# KiCad board V1.1_XT30_version.kicad_pcb (continued)
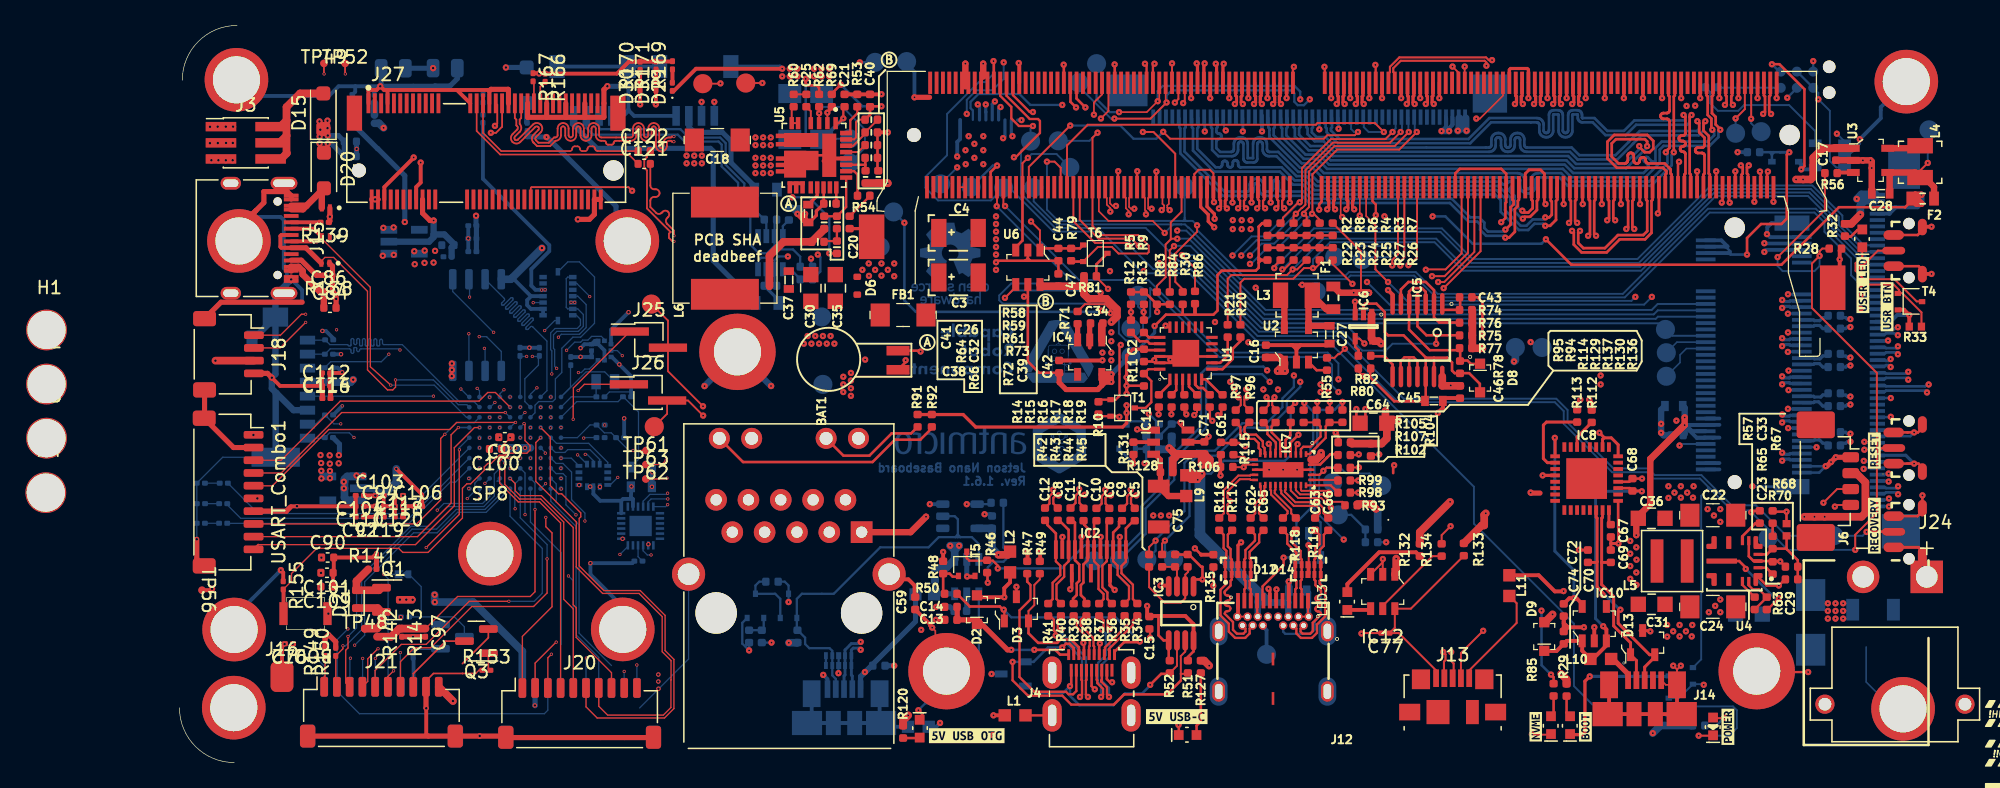
[diagram p0: board, top side]
## Routing (per net, layer and track width the routed paths; a pad name or vN(x,y) marks a point on that pad's centre or on a via; arc(x,y) is an arc through that point) (continued)
TMDS_HPD: length 66.3
  Top w0.15: M1.96 101.73,40.12 99.37,37.75 v1(98.88,37.75)
  Top w0.18: v1(64.29,15.25) 64.29,15.47 63.9,15.86 62.05,15.86 61.85,16.06 T5.3
  In3_SIGNAL.Cu w0.15: v1(85.45,30.81) 86,30.26 86.8,30.26 87.75,29.31 88.25,29.31 88.55,29.61 88.55,32.31 90.58,34.34 96.15,34.34 98.85,37.04 98.85,37.72 v1(98.88,37.75)
  Bottom w0.18: 71.85,16.71 71.85,17.01 71.9,17.06 ; 71.85,16.71 71.85,16.81 ; 71.85,16.71 TP24.1 ; v1(85.45,30.81) 85.15,31.11 80.8,31.11 80.25,30.56 80.25,26.41 77.75,23.91 77.75,22.31 75.55,20.11 75.55,18.11 74.5,17.06 72.1,17.06 ; 72.1,17.06 71.9,17.06 ; 72.1,17.06 71.85,16.81 ; 71.85,16.81 71.6,17.06 ; v1(64.29,15.25) 69.29,15.25 71.1,17.06 71.6,17.06 ; 71.9,17.06 71.6,17.06
UART0_RX: length 58.2
  Top w0.138: v1(41.13,27.99) 38.38,30.74 J25.2 38.38,34.72 TP18.1 ; v1(71.84,50.9) 71.84,51.85 72.48,52.49 M1.205
  In3_SIGNAL.Cu w0.138: v1(71.84,50.9) 71.84,50.71 70.73,49.6 69.91,49.6 67.46,47.15 67.46,41.26 64.09,37.89 64.09,34.52 57.56,27.99 v1(41.13,27.99)
UART0_TX: length 54.8
  Top w0.138: M1.203 72.98,51.19 v1(72.39,50.6) ; TP16.1 38.31,27.4 J26.2 39.95,28.45 v1(41.14,27.26)
  In3_SIGNAL.Cu w0.138: v1(41.14,27.26) 57.38,27.26 64.41,34.29 64.41,36.69 67.72,40.01 67.72,46.16 72.16,50.59 72.35,50.59 v1(72.39,50.6) 72.37,50.59 72.36,50.59
UART1_RX: length 74.9
  Top w0.15: M1.238 64.23,43.74 v1(64.2,43.71)
  Top w0.25: R112.2 110.95,28.31 v1(110.75,28.51)
  In5_3V3_SYS_SIGNAL.Cu w0.15: v1(91.05,29.11) 92.05,29.11 92.75,28.41 94.95,28.41 95.35,28.01 110.25,28.01 v1(110.75,28.51)
  Bottom w0.15: v1(91.05,29.11) 90.55,29.61 90.55,31.26 89.96,31.85 81.69,31.85 76.26,37.29 76.26,35.07 75.7,34.5 75.7,33.72 75.14,33.16 74.36,33.16 73.8,33.72 73.8,35.62 73.36,36.06 64.66,36.06 64.4,36.32 64.4,36.7 65.34,37.64 70.27,37.64 v1(64.2,43.71)
UART1_TX: length 54.8
  Top w0.15: v1(64.86,43.72) 64.73,43.85 M1.236
  Top w0.23: v1(110.05,28.51) 109.8,28.26 R113.2
  In5_3V3_SYS_SIGNAL.Cu w0.15: v1(110.05,28.51) 109.85,28.31 95.55,28.31 95.05,28.81 92.85,28.81 92.05,29.61 91.55,29.61 v1(91.05,30.11)
  Bottom w0.15: v1(91.05,30.11) 91.05,31.36 90.2,32.21 81.82,32.21 76.12,37.91 70.67,37.91 v1(64.86,43.72)
USB1_D_N: length 67.7
  Top w0.25: v1(97.04,51.74) 96.91,51.87 96.91,52.33 96.98,52.39 96.98,53.4 ; J12.A7 86.16,13.58 v1(86.18,13.6)
  In2.Cu w0.16: J12.B7 85.77,11.72 85.77,12.09 82.54,15.32 82.54,27.11 79.2,30.44 79.2,50.97 80.01,51.77 80.01,52.57 80.7,53.26 96.27,53.26 96.87,52.66 96.87,51.91 v1(97.04,51.74)
  In3_SIGNAL.Cu w0.2: J12.B7 85.51,12.18 86.17,12.84 86.17,13.59
USB1_D_P: length 66.9
  Top w0.25: v1(96.41,51.74) 96.54,51.87 96.54,52.33 96.48,52.39 96.48,53.4 ; v1(85.56,13.65) 85.66,13.54 J12.A6
  In2.Cu w0.16: v1(96.41,51.74) 96.58,51.91 96.58,52.54 96.15,52.98 80.82,52.98 80.29,52.45 80.29,51.65 79.49,50.85 79.49,30.56 82.82,27.23 82.82,15.44 86.05,12.21 86.05,11.72 J12.B6
  In5_3V3_SYS_SIGNAL.Cu w0.175: v1(85.56,13.65) 85.56,13.03 86.31,12.28 J12.B6
USB2_D_N: length 59.9
  Top w0.16: J13.2 99.34,6.66 99.34,7.93 99.46,8.05 99.46,8.5 v1(99.28,8.68) ; M1.121 95.48,54.13 95.36,54.25 95.36,54.55 95.94,55.14 102.54,55.14 102.68,55 v1(102.68,54.75)
  In2.Cu w0.16: v1(102.68,54.75) 102.85,54.57 102.85,23.92 arc(102.77,23.71) 102.55,23.62 102.41,23.62 arc(102.19,23.53) 102.11,23.32 arc(102.19,23.11) 102.41,23.02 102.55,23.02 arc(102.77,22.93) 102.85,22.72 102.85,20.94 99.46,17.54 99.46,8.86 v1(99.28,8.68)
USB2_D_P: length 59.9
  Top w0.16: M1.123 94.98,54.13 95.1,54.25 95.1,54.66 95.83,55.4 102.65,55.4 102.86,55.19 v1(103.12,55.19) ; J13.3 100.1,6.7 100.1,7.78 99.91,7.98 v1(99.91,8.68)
  In2.Cu w0.16: v1(99.91,8.68) 99.73,8.86 99.73,17.44 103.12,20.83 103.12,54.56 103.12,54.56 103.12,54.93 103.12,54.93 v1(103.12,55.19)
USBSS_RX6_N: length 31.3
  Top w0.16: R97.1 83.38,28.08 83.38,28.52 v1(83.2,28.69)
  Top w0.23: 83.48,53.4 83.48,52.39 83.4,52.32 83.4,51.88 v1(83.54,51.74) ; 83.48,51.78 83.54,51.71
  In2.Cu w0.16: v1(83.54,51.74) 83.37,51.57 83.37,51.13 83.04,50.8 81.94,50.8 81.49,50.35 81.49,45.05 80.74,44.3 80.74,30.29 81.21,29.82 arc(81.35,29.76) 81.49,29.82 81.5,29.83 arc(81.64,29.89) 81.78,29.83 arc(81.84,29.69) 81.78,29.54 81.78,29.54 arc(81.72,29.4) 81.78,29.26 arc(81.92,29.2) 82.06,29.26 82.07,29.26 arc(82.21,29.32) 82.35,29.26 arc(82.41,29.12) 82.35,28.98 82.34,28.97 arc(82.28,28.83) 82.34,28.69 82.91,28.13 83.19,28.13 83.37,28.31 83.37,28.52 v1(83.2,28.69)
USBSS_RX6_P: length 31.3
  Top w0.16: v1(83.83,28.69) 83.66,28.53 83.66,28.08 R96.1
  Top w0.23: v1(82.91,51.74) 83.05,51.88 83.05,52.32 82.98,52.39 82.98,53.4 ; 82.91,51.71 82.98,51.78
  In2.Cu w0.16: v1(83.83,28.69) 83.66,28.52 83.66,28.19 83.31,27.84 82.79,27.84 80.46,30.17 80.46,44.42 81.21,45.17 81.21,50.47 81.83,51.09 82.93,51.09 83.08,51.25 83.08,51.57 v1(82.91,51.74)
USBSS_TX6_N: length 22.2
  Top w0.16: v1(85.4,28.69) 85.56,28.53 85.56,28.07 R95.1
  Top w0.23: 82.23,45.2 82.23,44.21 82.15,44.14 82.15,43.67 v1(82.29,43.54)
  In2.Cu w0.16: v1(82.29,43.54) 82.12,43.37 82.12,32.46 83.03,31.55 arc(83.18,31.49) 83.33,31.55 arc(83.48,31.62) 83.63,31.55 83.65,31.54 arc(83.71,31.39) 83.65,31.23 arc(83.59,31.08) 83.65,30.93 83.66,30.92 arc(83.81,30.85) 83.97,30.92 arc(84.12,30.98) 84.27,30.92 84.28,30.9 arc(84.35,30.75) 84.28,30.6 arc(84.22,30.45) 84.28,30.29 84.68,29.89 84.68,28.11 84.85,27.95 85.35,27.95 85.57,28.18 85.57,28.52 v1(85.4,28.69)
USBSS_TX6_P: length 22.1
  Top w0.16: 86.23,27.68 85.85,28.07 85.85,28.51 v1(86.03,28.69)
  Top w0.23: v1(81.66,43.54) 81.8,43.67 81.8,44.14 81.73,44.21 81.73,45.2
  In2.Cu w0.16: v1(81.66,43.54) 81.83,43.37 81.83,32.34 84.4,29.78 84.4,28 84.73,27.67 85.46,27.67 85.86,28.06 85.86,28.52 v1(86.03,28.69)
USR_BUTTON: length 91.3
  Top w0.15: v1(132.13,38.92) 133.43,40.22 USR1.2 ; M1.218 69.23,46.73 68.75,47.21 v1(68.15,47.21) ; 78.82,37.18 78.23,37.77 78.23,39.99 79.94,41.7 v1(79.94,42.2)
  Bottom w0.15: 78.97,42.67 78.97,42.79 ; 78.97,42.67 78.85,42.55 78.81,42.55 ; 78.97,42.67 79.08,42.55 79.21,42.55 ; 78.97,42.79 78.97,42.59 79.01,42.55 ; 78.97,42.79 78.97,45.2 ; 79.21,42.55 79.59,42.55 v1(79.94,42.2) 79.94,41.85 83.54,38.26 91.61,38.26 91.88,38.53 97.13,38.53 98.84,36.82 99.44,36.82 113.39,36.82 120.08,43.51 128.55,43.51 129.54,42.52 129.54,41.87 132.13,39.28 v1(132.13,38.92) ; 79.21,42.55 79.01,42.55 ; 79.01,42.55 78.81,42.55 ; 78.81,42.55 69.03,42.55 68.15,43.43 v1(68.15,47.21)
USR_LED: length 92
  Top w0.125: v1(77.4,41.61) 76.45,42.56 72.98,42.56 72.23,43.31 M1.206
  Top w0.15: R33.1 136.85,35.37 135.34,36.88 135.09,36.88 135.09,37.13 134.67,37.55 v1(132.06,37.55)
  Bottom w0.15: 78.72,42.28 78.07,42.28 v1(77.4,41.61) ; 78.72,42.28 78.99,42.28 79.24,42.03 79.28,42.03 83.33,37.98 91.72,37.98 92,38.26 97,38.26 98.71,36.55 113.55,36.55 120.21,43.21 128.45,43.21 129.23,42.43 129.23,41.69 131.33,39.6 131.33,38.28 v1(132.06,37.55) ; 78.72,42.28 68.92,42.28 67.11,44.09 TP26.1
VSYNC_CAM1_1: length 31.4
  Top w0.15: v1(92.58,49.54) 92.33,49.29 90.17,49.29 89.9,49.01 77.83,49.01 v1(77.28,49.55) ; M1.228 66.73,46.8 v1(69.98,50.05)
  Bottom w0.15: v1(92.58,49.54) 92.28,49.54 92.04,49.78 92.04,50.62
  Bottom w0.18: v1(69.98,50.05) 73.91,50.05 74.95,49.01 76.74,49.01 v1(77.28,49.55)
VSYNC_CAM1_2: length 31.6
  Top w0.15: v1(94.62,49.54) 93.91,50.24 89.41,50.24 89.27,50.11 71.35,50.11 69.73,48.49 M1.216
  Bottom w0.15: 93.04,50.62 93.04,49.92 93.04,49.92 93.42,49.54 v1(94.62,49.54)
VSYNC_CAM2_1: length 52.9
  Top w0.15: M1.114 97.23,39.68 96.6,39.05 96.57,39.08 v1(96.55,39.08)
  In2.Cu w0.125: 93.98,38.75 93.98,38.75 94.82,39.59 96.03,39.59 v1(96.55,39.08)
  In2.Cu w0.15: v1(132.06,35.65) 130.28,37.42 116.51,37.42 v1(115.67,36.59) ; v1(93.3,37.75) 93.3,38.06 93.98,38.75
  Bottom w0.15: v1(93.3,37.75) 95.07,35.98 115.06,35.98 v1(115.67,36.59) ; 133.25,35.64 133.25,35.65 v1(132.06,35.65)
VSYNC_CAM2_2: length 48.2
  Top w0.125: M1.130 93.23,42.94 93.96,42.22
  Top w0.15: v1(94.95,37.75) 93.96,38.75 93.96,42.22
  In2.Cu w0.15: v1(114.38,36.59) 115.55,37.75 130.94,37.75 v1(132.06,36.64)
  Bottom w0.15: 133.25,36.64 133.25,36.64 v1(132.06,36.64) ; v1(94.95,37.75) 94.95,37.75 96.43,36.27 114.06,36.27 v1(114.38,36.59)
~{OTG_USB_ID_DET}: length 52.2
  Top w0.18: v1(93.99,43.01) 93.99,43.84 93.73,44.1 M1.128
  In5_3V3_SYS_SIGNAL.Cu w0.125: v1(61.85,20.3) 65.14,20.3 71.55,26.71 71.55,37.51 72.05,38.01 78.15,38.01 81.61,41.47 92.61,41.47 93.99,42.85 v1(93.99,43.01)
  Bottom w0.18: v1(61.85,20.3) 61.85,20.3 U8.4 63.65,20.3 R111.2
~{OTG_USB_VBUS_DET}: length 84.1
  Top w0.125: M1.87 103.98,52.4 102.17,50.59 v1(101.88,50.59)
  In2.Cu w0.125: v1(94.66,42.92) 94.66,43.68 98.55,47.57 98.55,50.01 99.13,50.59 v1(101.88,50.59)
  In5_3V3_SYS_SIGNAL.Cu w0.125: v1(47.85,12.61) 50.45,12.61 54.95,17.11 59.05,17.11 60.65,18.71 63.95,18.71 71.85,26.61 71.85,37.41 72.15,37.71 78.25,37.71 81.75,41.21 93.05,41.21 94.65,42.81 94.65,42.91
  Bottom w0.18: R103.2 47.55,14.21 47.85,13.91 T7.3 v1(47.85,12.61)
Net-(BOOT1-A): length 1.7
  Top w0.2: R29.1 108.97,3.91 BOOT1.1
Net-(BOOT1-K): length 11.5
  Top w0.25: 109.58,2.19 110.18,2.19 110.41,2.42 110.41,6.39 v1(110.8,6.77)
  Bottom w0.25: v1(110.8,6.77) 116.84,6.77
Net-(C20-Pad2): length 2.3
  Top w0.18: C20.2 54.23,44.51 R54.2
Net-(C25-Pad2): length 1
  Top w0.15: C25.2 R60.1
Net-(C33-Pad2): length 1
  Top w0.2: C33.2 R65.1
Net-(C99-Pad2):
  vias: v4(25.16,25.54)
Net-(C100-Pad2):
  vias: v4(24.36,24.72)
Net-(D15-A): length 11.4
  Top w0.6: J3.6 7.98,47.42 8.43,47.87 8.41,47.89 8.41,49.25 ; J3.2 7.92,49.96 8.41,50.45 ; 8.41,49.25 7.85,48.69 J3.4 ; 8.41,49.25 8.41,50.45 ; D15.2 9.48,52.57 8.41,51.5 8.41,50.45
Net-(D18-A1): length 1.6
  Bottom w0.4: D18.1 27.28,50.3 R140.1
Net-(D21-A): length 4.1
  Top w0.6: Q1.1 15.67,13.54 D21.2 13.91,14.26 R141.1
Net-(D22-K): length 0.9
  Bottom w0.3: D22.1 23.84,51.84
Net-(D23-K): length 0.9
  Bottom w0.3: D23.1 13.57,51.8 R145.2
Net-(D24-K): length 1
  Bottom w0.3: 15.32,51.83 R146.2
  Bottom w0.6: D24.1 15.32,51.83
Net-(D26-K): length 1.2
  Bottom w0.1: D26.1 R156.1
Net-(D27-K): length 1.1
  Bottom w0.1: D27.1 R157.1
Net-(D28-K): length 1.1
  Bottom w0.1: D28.1 R158.1
Net-(D29-A): length 1
  Top w0.3: R169.1 38.73,53.42
Net-(D30-A): length 1
  Top w0.3: R170.1 36.19,53.45
Net-(D31-A): length 1
  Top w0.3: 37.44,54.44 37.44,53.47 D31.2
Net-(F4-Pad2): length 26
  Bottom w0.3: J8.1 30.97,50.33
  Bottom w0.4: 30.97,50.33 30.97,50.08 32.79,48.26 41.72,48.26 41.93,48.04 41.93,39.44 F4.2 45.26,36.25
Net-(F5-Pad2): length 9.2
  Bottom w0.4: F5.2 45.16,45.3 43.33,47.13 43.33,48.84 42.65,49.51 40.46,49.51 40.02,49.95 J9.2
Net-(IC3-SCLA): length 7.7
  Top w0.15: 76.18,15.38 76.18,13.78 77.39,12.56 78.66,12.56 79.02,12.91 IC3.2 79.02,13.85 79.02,14.77 79.24,14.99 79.24,15.38
Net-(IC3-SDAA): length 2.6
  Top w0.15: 78.37,13.84 78.37,15.23 78.22,15.38 77.2,15.38
Net-(IC4-EN): length 1.3
  Top w0.406: R71.1 70.56,33.2
Net-(IC5-1B): length 8.6
  Top w0.2: IC5.6 95.96,37.17 96.55,37.75 97.92,37.75 98.56,37.11 IC5.2 98.56,34.98 98.97,34.57 100.61,34.57
Net-(IC5-3A): length 5.5
  Top w0.2: IC5.11 97.26,31.53 96.95,31.84 96.6,31.84 ; IC5.9 95.94,30.35 95.94,31.53 96.24,31.84 96.6,31.84 ; IC5.10 96.61,31.83 96.6,31.84
Net-(IC5-~{3Y}): length 2.9
  Top w0.2: IC5.8 95.31,31.27 94.67,31.91 93.57,31.91
Net-(IC7-CURRENT_MODE): length 8.3
  Top w0.15: 93.67,24.19 94.23,24.19 v1(94.25,24.21) ; v1(87.84,25.02) 87.7,24.88 IC7.3
  In2.Cu w0.18: v1(94.25,24.21) 93.33,25.13 87.95,25.13 v1(87.84,25.02) 87.84,25.02
Net-(IC7-DIR): length 1.7
  Top w0.15: IC7.11 83.86,23.8 83.64,24.02 82.96,24.02 82.88,24.1
Net-(IC7-ENn_CC): length 2.5
  Top w0.2: 91.02,24.22 90.42,24.22 90.14,23.95 90.14,23.94 89.61,23.41 88.91,23.41 IC7.29
Net-(IC7-PORT): length 5.7
  Top w0.2: v1(90.83,25.9) 91.04,25.7 91.04,25.01 ; v1(87.91,25.75) 87.3,25.15 IC7.4
  In2.Cu w0.2: 90.77,25.84 v1(90.83,25.9) ; 90.75,25.82 87.97,25.82 v1(87.91,25.75)
Net-(IC7-VBUS_DET): length 2.7
  Top w0.2: IC7.5 86.9,25.35 87.26,25.71 87.26,26.69 87.3,26.72
Net-(IC8-3V3OUT): length 1.2
  Top w0.23: 112.3,19.84 112.3,18.85 C67.2
Net-(IC8-RXD): length 6.4
  Top w0.23: IC8.2 107.47,23.56 107.15,23.88 107.15,26.51 107.39,26.75 R113.1
Net-(IC8-TXD): length 2.4
  Top w0.23: IC8.30 109.8,25.58 R112.1
Net-(IC9-ILIM): length 1.4
  Bottom w0.4: R124.1 61.85,11.93 IC9.5
Net-(IC9-OUT): length 2.8
  Bottom w0.4: IC9.6 59.33,13.26 L7.1 59.35,13.29 R122.2
Net-(IC11-ILIM): length 1.6
  Top w0.3: R131.1 76.53,25.17
Net-(IC11-OUT): length 5.2
  Top w0.4: C75.2 77.06,21.84 R128.2 77.06,23.8 76.61,24.25
  Top w0.5: L9.1 77.7,20.94 77.01,21.63
Net-(IC11-~{EN}): length 5.9
  Top w0.18: v1(78.65,26.71) 78.65,26.49 78.98,26.15
  Bottom w0.18: v1(78.65,26.71) 78.04,26.71 R126.2 75.98,26.6 R123.2 75.87,26.6 75.65,26.81 74.7,26.81 T9.3
Net-(IC11-~{FAULT}): length 27.8
  Top w0.2: 78.51,2.12 78.51,2.8 78.49,2.82 v1(78.49,2.96) ; IC11.4 75.29,26.12 v1(75.24,26.17)
  In2.Cu w0.2: v1(75.24,26.17) 75.24,25.62 77.19,23.67 77.19,21.32 75.85,19.98 75.85,13.77 78.49,11.14 v1(78.49,2.96)
Net-(IC12-ILIM): length 6.5
  Top w0.15: IC12.5 94.53,12.32 98.43,16.22 R134.1
Net-(J4-+5V): length 10.9
  Top w0.2: J4.19 69.18,8.48 68.81,8.85 v1(67.16,8.85)
  Top w0.4: 61.1,11.21 61.1,12.23 ; v1(65.35,8.85) 65.05,8.85 62.69,11.21 C13.2
  Bottom w0.2: v1(67.16,8.85) v1(65.35,8.85)
Net-(J4-GND): length 16
  Top w0.15: 66.6,14.21 66.6,14.85
  Top w0.18: 66.6,14.21 66.85,13.95 66.85,12.81 65.99,11.95 65.99,6.72 67.15,5.56 69.65,5.56 69.85,5.36 70.2,5.36 70.46,5.62 J4.16
  Top w0.2: 66.6,14.21 R47.2
Net-(J7-LED): length 35.8
  Top w0.15: v1(106.25,2.21) 106.27,2.19 107.35,2.19
  In3_SIGNAL.Cu w0.15: v1(117.85,24.91) 109.75,24.91 108.15,23.31 108.15,12.71 108.6,12.26 108.6,10.46 106.45,8.31 106.45,2.41 v1(106.25,2.21)
  Bottom w0.15: v1(117.85,24.91) 117.97,25.03 J7.10
Net-(J7-SMB_CLK): length 4.4
  Bottom w0.125: J7.40 118.39,32.53 117.89,32.03 117.89,31.43 TP43.1
Net-(J7-SMB_DATA): length 3.4
  Bottom w0.125: TP42.1 117.64,33.03 J7.42
Net-(J10-Pad12): length 8.7
  Top w0.2: J10.12 52.16,24.11 54.2,24.11 55.95,25.86 57.48,25.86 R91.1
Net-(J10-Pad14): length 18.7
  Top w0.2: R92.2 59.11,26.27 58.2,25.36 56.2,25.36 54.45,23.61 44.27,23.61 J10.14
Net-(J11-SHIELD): length 13.4
  Bottom w0.3: J11.S J11.S J11.S J11.S 49.67,3.48 J11.S ; J11.S 55,3.22 J11.S ; J11.S 55.42,2.81 L8.2 ; J11.S 55.5,2.73
Net-(J12-SBU2): length 2.3
  Bottom w0.3: 85.1,10.7 85.4,10.4 TP47.1
Net-(J13-Shield): length 8.2
  Top w0.15: L11.2 105.05,12.52 105.05,10.97 101.32,7.24 J13.5
Net-(J15-CC1): length 2.3
  Top w0.3: R139.2 11.08,42.44 J15.A5
Net-(J15-CC2): length 3.1
  Top w0.4: R138.2 10.76,38.28 9.57,39.47 8.78,39.47
Net-(J27-PETn0): length 15.9
  Top w0.125: J27.37 23.85,49.47 25.28,48.04 30.67,48.04 arc(30.8,48.09) 30.86,48.23 arc(30.91,48.36) 31.04,48.41 31.27,48.41 arc(31.4,48.36) 31.46,48.23 arc(31.51,48.09) 31.64,48.04 31.87,48.04 arc(32,48.09) 32.06,48.23 arc(32.11,48.36) 32.24,48.41 32.47,48.41 arc(32.6,48.36) 32.66,48.23 arc(32.71,48.09) 32.84,48.04 C122.1
Net-(J27-PETp0): length 15.9
  Top w0.125: J27.35 23.35,49.62 25.2,47.77 35.34,47.77 35.34,47.73 C121.1
Net-(LED1-A): length 1.3
  Top w0.2: LED1.1 58.11,1.93 R120.1
Net-(LED2-A): length 5
  Top w0.2: 79.9,2.12 79.9,2.9 80.24,3.24 80.24,6.97
Net-(LED3-A): length 7.5
  Top w0.3: R132.1 97.14,16.52 94.25,16.52 91.75,14.02 LED3.1
Net-(M1B-CAM1_PWDN): length 9.3
  Top w0.15: v1(95.28,39.05) 95.28,39.48 95.73,39.93 M1.120
  Bottom w0.15: TP4.1 93.12,39.71 95.05,39.71 95.28,39.48 v1(95.28,39.05)
Net-(M1B-GPIO01): length 12.6
  Top w0.15: v1(95.91,39.05) 95.91,39.38 96.23,39.7 M1.118
  Bottom w0.15: v1(95.91,39.05) 95.91,39.46 94.79,40.57 92,40.57 90.93,39.51
Net-(M1C-UART0_RXD): length 59
  Top w0.138: M1.101 100.48,54.21 v1(100.01,54.68) ; v1(45.79,53.39) 45.79,53.39 TP17.1
  In5_3V3_SYS_SIGNAL.Cu w0.138: v1(45.79,53.39) 45.79,53.58 47.67,55.45 60.4,55.45 61.38,54.47 68.34,54.47 69.25,55.38 99.31,55.38 v1(100.01,54.68)
Net-(M1C-UART0_TXD): length 62.6
  Top w0.138: TP19.1 42.48,53.34 v1(42.5,53.36) ; M1.99 100.97,53.41 v1(100.97,54.68)
  In5_3V3_SYS_SIGNAL.Cu w0.138: v1(100.97,54.68) 99.84,55.81 44.95,55.81 v1(42.5,53.36)
Net-(NVME1-A): length 1.7
  Top w0.2: R85.1 107.95,3.84 NVME1.1
Net-(PWR1-A): length 2.6
  Top w0.15: 120.48,3.49 121.33,3.49 v1(121.35,3.51)
  Bottom w0.2: v1(121.35,3.51) 120.75,2.91 119.83,2.91
Net-(PWR1-K): length 9.4
  Top w0.15: 120.48,2.09 120.46,2.11 v1(119.35,2.11)
  Top w0.25: 120.45,2.12 120.48,2.09
  Bottom w0.15: T3.3 122.05,4.41 122.35,4.11 122.35,2.71 121.75,2.11 v1(119.35,2.11)
Net-(Q2-B): length 2.2
  Bottom w0.1: R148.1 20.46,8.89
  Bottom w0.125: 20.46,8.89 Q2.1
Net-(Q2-C): length 9.2
  Bottom w0.1: 18.99,11.44 18.99,13.82 U23.1 ; 18.99,11.44 R151.2 ; 18.99,11.44 21.61,11.44 22.38,10.67 Q2.3
Net-(Q3-B): length 1.5
  Top w0.125: R153.2 24.27,7.42 Q3.1
  Bottom w0.1: R152.1 33.46,25.47
Net-(R2-Pad1): length 5.1
  Top w0.2: 90.6,41.41 85.47,41.41
Net-(R22-Pad1): length 5.1
  Top w0.2: 90.6,40.44 85.47,40.44
Net-(T1-D): length 5.4
  Top w0.18: U1.24 76.12,30.9 R11.2 76.35,29.97 76.35,28.31 75.9,27.86 T1.3
Net-(T4-D): length 8.3
  Top w0.15: 132.21,40.43 132.21,39.76 131.67,39.23 131.67,38.64 132.34,37.97 134.73,37.97 136.48,36.23 136.99,36.23
Net-(T5-G): length 2.9
  Top w0.15: R48.1 60,14.84
  Top w0.2: 60,14.84 60.5,14.84 60.74,14.6 61.17,14.6 ; R48.1 60,13.38 R50.2
Net-(T7-S): length 5.2
  Bottom w0.18: R103.1 45.55,14.21 45.25,13.91 T8.3 46.8,13.26 47.2,12.86 T7.2
Net-(T8-G): length 2
  Bottom w0.18: R109.1 R110.2 45.9,10.55 T8.1
Net-(TP1-CTS/TMS): length 5
  Bottom w0.15: 120.85,53.05 120.88,53.02 125.79,53.02 TP1.2
Net-(TP2-P): length 4.3
  Top w0.15: v1(123.47,50.58) 123.48,50.59 M1.9
  Bottom w0.15: 124.26,49.44 123.47,50.23 v1(123.47,50.58)
Net-(TP3-P): length 4.3
  Top w0.15: M1.11 122.98,51.33 v1(122.25,50.61)
  Bottom w0.15: TP3.1 v1(122.25,50.61)
Net-(TP33-P): length 9.7
  Top w0.15: L3.2 89,37.16 88.62,37.54 87.95,37.54
  Top w0.5: F1.1 90.09,35.62 L3.2 88.7,36.41 U2.4 88.85,34.31 C27.1
  Bottom w0.15: TP33.1 88.78,37.54 87.95,37.54
  vias: v1(88.2,37.53)
Net-(TP34-P): length 10.8
  Top w0.15: L4.2 136.75,46.51 v1(137.35,47.11)
  Top w0.5: C28.1 134.35,46.21 U3.4 136.35,46.36 L4.2 137.1,45.96 137.84,45.22 F2.2
  Bottom w0.15: TP34.1 137.35,49.61 v1(137.35,47.11)
Net-(U1-SC0): length 1.4
  Top w0.2: U1.2 78.31,29.26 R15.2
Net-(U1-SC1): length 1.5
  Top w0.2: R17.2 79.31,29.53 U1.4
Net-(U1-SC2): length 2
  Top w0.2: 81.84,28.9 80.64,30.1 U1.6
Net-(U1-SC3): length 2.9
  Top w0.2: U1.8 81.76,31.4 82.35,32 R21.2
Net-(U1-SCL): length 1.4
  Top w0.2: U1.19 76.15,33.4 R13.1
Net-(U1-SD0): length 1.6
  Top w0.2: R14.2 77.81,29.76 U1.1
Net-(U1-SD1): length 1.3
  Top w0.2: R16.2 78.81,29.03 U1.3
Net-(U1-SD2): length 1.9
  Top w0.2: U1.5 79.81,29.67 80.05,29.43 80.41,29.43 R18.2
Net-(U1-SD3): length 3.9
  Top w0.2: R20.2 83.35,33.11 82.75,32.51 82.75,31.71 81.94,30.9 U1.7
Net-(U1-SDA): length 2.6
  Top w0.2: U1.20 76.23,32.9 76.04,33.1 75.45,33.1 R12.1
Net-(U2-EN): length 1.7
  Top w0.2: R55.1 89.34,30.83 U2.3
Net-(U2-SW): length 2.7
  Top w0.5: U2.5 86.8,36.41 L3.1
Net-(U3-EN): length 1.3
  Top w0.3: 130.24,46.31 130.29,46.36 U3.3
Net-(U3-SW): length 2.6
  Top w0.5: U3.5 136.55,48.26 L4.1
Net-(U4-RBOOT): length 1.6
  Top w0.18: U4.13 122.79,13.96 R63.1
Net-(U5-VOUT): length 4.3
  Top w0.18: 52.38,45.96 52.38,43.65 C32.2 R64.2
Net-(U7-RH): length 1.5
  Bottom w0.18: U7.8 47.4,42.15 R89.2
Net-(U7-RXD): length 5.4
  Bottom w0.18: U7.4 45.45,39.41 45.7,39.66 46.35,39.66 47,40.31 48.2,40.31 48.77,39.75 R88.1
Net-(U7-TXD): length 1.7
  Bottom w0.18: U7.1 48,38.76 48.77,38 R87.1
Net-(U22A-PC14-OSC32_IN): length 8.2
  Bottom w0.1: C107.1 30.72,31.22 30.72,29.47 U22.A1 31.94,30.69 33.41,30.69 Y2.2
Net-(U22A-PC15-OSC32_OUT): length 4.3
  Bottom w0.1: Y2.1 32.73,28.75 C108.1 30.78,28.73 U22.B1
Net-(U22B-BOOT0): length 30.7
  Top w0.1: v4(27.07,26.63) 27.14,26.56 27.14,25.3 27.55,24.89 27.55,24.56 27.29,24.3 25.73,24.3 25.58,24.15 25.12,24.15 24.48,23.5 24.22,23.5 23.95,23.23 23.95,22.97 22.88,21.9 22.58,21.9 22.23,21.55 22.23,19.21 19.53,16.51 17.54,16.51 17.22,16.83 10.78,16.83 8.8,14.85 8.8,14.25 R155.2
  Top w0.3: R155.2 8.18,13.58 BOOT2.2
  Bottom w0.1: U22.D5 26.77,26.33 v4(27.07,26.63)
Net-(U22B-PH0-OSC_IN): length 11.8
  Bottom w0.1: Y1.3 36.06,23.81 36.06,27.54 34.86,28.74 C102.1 34.45,28.36 31.2,28.36 U22.C1
Net-(U26-REGOUT): length 1.4
  Bottom w0.1: C115.1 36.03,16.18 U26.10
Net-(USER1-A): length 1.6
  Top w0.2: 130.84,41.36 130.89,41.31 131.29,41.31 131.81,41.83 132.21,41.83
unconnected-(D10-CH4-Pad5): length 0.8
  Bottom w0.18: 50.78,8.4 D10.5
unconnected-(U24-INT2/FSYNC/CLKIN-Pad9): length 0
  Bottom w0.1: 31.21,22.36 31.2,22.37

## Copper pours and planes (outline as drawn; the poured copper is in the pictures)
3V3_SYS on Top: 115.35,17.71 116.85,17.71 116.85,13.91 115.45,13.91 115.45,11.41 113.65,11.41 113.65,19.91 115.35,19.91
3V3_SYS on Bottom: 122.91,39.98 122.91,22.81 120.85,22.81 120.91,41.18 121.41,41.18
3V3_SYS on Bottom: 115.45,13.56 113.65,13.56 113.65,19.46 115.45,19.46
3V3_SYS on Bottom: 53.15,37.51 56.55,37.51 56.55,29.61 73.55,29.61 73.55,30.61 74.75,30.61 74.75,27.11 71.95,27.11 71.25,27.81 53.35,27.81 53.35,31.11 52.55,31.91 52.55,36.31 48.55,36.31 47.75,35.51 46.55,35.51 46.55,36.71 47.55,36.71 48.15,37.31 51.05,37.31 51.05,44.21 46.55,44.21 46.55,45.71 53.15,45.71
3V3_SYS on In5_3V3_SYS_SIGNAL.Cu: 115.15,13.51 115.15,21.21 111.95,24.41 97.65,24.41 95.25,26.81 80.11,26.81 77.75,29.14 77.75,35.44 77.21,35.98 74.05,35.98 73.75,35.71 73.75,25.21 77.2,21.76 77.22,14.98 78.2,13.98 80.47,13.98 81.51,15 81.51,16.06 83.52,18.07 108.35,18.11 112.95,13.51
5V0_SYS on Top: 49.3,36.86 55.85,36.86 55.85,34.21 53.05,34.21 53.05,28.51 47.15,28.51 47.15,35.41 40.15,35.51 40.15,38.01 48.15,38.01
5V0_SYS on Top: 73.51,32.7 72.21,32.7 72.21,34.9 73.51,34.9
5V0_SYS on Top: 35.52,7.03 35.5,4.68 36.92,4.69 36.91,5.41 38.22,5.4 38.22,7.25 35.52,7.24
5V0_SYS on Bottom: 49.36,28.48 53.05,28.48 53.05,30.94 49.36,30.94
5V0_SYS on In1.Cu: 101.86,51.6 127.25,51.51 127.25,47.41 129.08,45.62 129.08,44.79 129.09,44.75 129.1,44.71 129.13,44.68 129.16,44.66 129.19,44.64 129.23,44.64 132.3,44.64 132.44,44.5 132.44,42.82 132.3,42.68 129.23,42.68 129.19,42.68 129.16,42.66 129.13,42.64 129.1,42.61 129.09,42.57 129.08,42.53 129.08,42.51 129.08,21.04 129.09,21 129.1,20.97 129.13,20.93 129.69,20.37 129.69,18.78 127.5,16.59 127.48,16.55 127.46,16.52 127.46,16.48 127.46,1.71 105.07,1.71 105.07,8.6 105.06,8.7 105.03,8.79 104.98,8.88 104.92,8.96 104.84,9.02 104.75,9.07 104.65,9.1 104.55,9.11 103.2,9.11 103.21,8.56 97.01,8.56 97,9.11 95.67,9.11 95.57,9.1 95.47,9.07 95.38,9.02 95.3,8.96 95.24,8.88 95.19,8.79 95.16,8.7 95.15,8.6 95.15,1.71 38.92,1.71 38.92,47.11 46.95,47.11 46.95,32.31 53.35,32.31 53.35,51.6
5V0_SYS on In1.Cu: 38.94,10.76 8.94,10.88 9,50.58 -0.75,50.45 -0.62,1.74 38.92,1.71
/Supply/3V3_SW on Top: 119.05,17.11 120.05,16.11 122.45,16.11 122.45,15.51 120.05,15.51 119.05,14.51 119.05,14.01 117.85,14.01 117.85,17.61 119.05,17.61
/Supply/3V3_VIN on Top: 119.75,12.51 120.65,13.41 121.45,13.41 121.45,14.91 121.95,14.91 121.95,13.41 123.05,13.41 123.05,10.61 119.75,10.61
/Supply/3V3_VIN on Top: 123.05,18.21 121.95,18.21 121.95,16.71 121.45,16.71 121.45,18.21 120.65,18.21 119.75,19.11 119.75,20.41 123.05,20.41
/Supply/3V3_VIN on Bottom: 123.05,10.61 119.8,10.61 119.8,13.41 123.05,13.41
/Supply/3V3_VIN on In5_3V3_SYS_SIGNAL.Cu: 121.45,11.51 119.75,11.51 119.75,20.21 121.45,20.21
/Supply/5V_SW on Top: 49.15,44.71 46.45,42.81 40.15,42.81 40.15,45.71 49.15,45.71
/Supply/5V_VIN on Top: 47.65,49.46 50.2,49.46 50.2,48.36 47.48,48.36 47.12,48.01 43.3,48.01 43.3,49.81 47.3,49.81
/Supply/5V_VIN on Bottom: 51.35,48.21 44.95,48.21 44.95,49.46 45.35,49.71 51.35,49.71
GND on Top: 41.35,49.81 39.55,49.81 39.55,46.76 41.35,46.76
GND on Top: 51.6,46.01 49.35,46.01 49.3,45.96 44.95,45.96 44.95,47.86 47.3,47.86 47.5,48.06 50.35,48.06 50.5,48.21 50.5,49.41 51.6,49.41
GND on Top: 56.6,37.66 48.85,37.66 48.25,38.26 47.45,38.26 47.45,38.96 53.35,38.96 53.35,43.06 56.6,43.06
GND on Top: 88.15,30.91 89.45,30.01 90.55,30.01 90.55,28.81 88.35,28.81 88.35,29.71 87.35,30.61 87.35,32.11 88.15,32.11
GND on Top: 118.55,13.51 119.95,14.91 120.85,14.91 120.85,13.91 119.45,12.51 119.45,9.51 116.05,9.51 116.05,13.51
GND on Top: 119.45,19.11 120.85,17.71 120.85,16.71 119.85,16.71 118.35,18.41 116.05,18.41 116.05,22.11 119.45,22.11
GND on Top: 71.91,32.5 73.51,32.5 73.51,31.2 71.11,31.2 71.11,33.8 71.91,33.8
GND on Top: 63.64,54.28 61.35,54.28 61.35,46.21 61.05,46.21 61.05,44.01 62.05,44.01 62.05,37.01 64.45,37.01 64.45,43.31 63.35,43.31 63.35,46.41 63.65,46.71
GND on Top: 78.05,17.96 76.05,17.96 76.05,19.71 78.05,19.71
GND on Bottom: 48.85,51.81 47.05,51.81 47.05,54.86 48.85,54.86
GND on Bottom: 29.02,49.81 29.02,55.61 44.02,55.61 44.02,49.81
GND on Bottom: 119.25,18.91 116.2,18.91 116.2,22.01 119.25,22.01
GND on Bottom: 138.65,7.11 126.85,7.11 126.85,10.41 136.15,10.41 136.15,14.41 138.65,14.41
GND on Bottom: 56.6,37.66 53.35,37.66 53.35,41.51 56.6,41.51
GND on In3_SIGNAL.Cu: 97.45,49.31 78.75,49.31 78.75,53.51 97.45,53.51
GND on In3_SIGNAL.Cu: 84.55,31.11 85.95,29.71 87.75,29.71 87.75,11.31 84.75,11.31 80.85,15.21 80.85,26.01 77.15,29.71 77.15,41.81 78.15,42.81 78.15,45.21 78.35,45.41 84.55,45.41
GND on In4_GND.Cu: 138.62,1.71 105.07,1.71 105.07,8.6 105.06,8.7 105.03,8.79 104.98,8.88 104.92,8.96 104.84,9.02 104.75,9.07 104.65,9.1 104.55,9.11 103.2,9.11 103.2,9.7 97,9.7 97,9.11 95.67,9.11 95.57,9.1 95.47,9.07 95.38,9.02 95.3,8.96 95.24,8.88 95.19,8.79 95.16,8.7 95.15,8.6 95.15,1.71 77.43,1.71 77.43,8.95 77.42,9.05 77.41,9.8 77.21,10 77.16,10 66.46,9.95 66.43,12.1 66.42,12.15 66.39,12.19 66.35,12.22 66.3,12.23 64.4,12.23 64.35,12.22 64.31,12.19 64.28,12.15 64.27,12.1 64.27,1.71 57.19,1.71 57.81,2.33 57.83,2.36 57.84,2.4 57.84,26.23 57.85,26.26 57.86,26.3 57.85,26.35 57.82,26.39 57.78,26.42 57.73,26.43 38.92,26.43 38.92,55.69 138.62,55.69
GND on In6_GND.Cu: 138.64,1.71 105.09,1.71 105.09,8.6 105.08,8.7 105.05,8.79 105,8.88 104.94,8.96 104.86,9.02 104.77,9.07 104.67,9.1 104.58,9.11 103.22,9.11 103.22,9.7 97.02,9.7 97.02,9.11 95.69,9.11 95.59,9.1 95.49,9.07 95.4,9.02 95.32,8.96 95.26,8.88 95.21,8.79 95.18,8.7 95.17,8.6 95.17,1.71 77.45,1.71 77.45,9 77.44,9.05 77.41,9.09 77.21,9.29 77.17,9.32 77.12,9.33 66.45,9.33 66.45,12.1 66.44,12.15 66.41,12.19 66.37,12.22 66.32,12.23 64.42,12.23 64.37,12.22 64.33,12.19 64.3,12.15 64.29,12.1 64.29,1.71 44.55,1.71 44.45,12.81 58.15,12.81 58.15,26.83 38.94,26.83 38.94,55.69 138.64,55.69
GND on In6_GND.Cu: 38.94,55.69 -0.8,55.64 -0.96,1.63 38.32,1.8 38.3,26.83 38.94,26.83
VDD_MOD on Top: 60.85,34.16 57.8,34.16 57.8,36.31 58.65,36.31 58.65,54.41 61.15,54.41 61.15,52.51 60.85,52.51
VIN on Bottom: 51.35,51.81 49.55,51.81 49.55,54.86 51.35,54.86
VIN on Bottom: 48.79,32.53 52.21,32.53 52.21,36.04 48.79,36.04
VIN on Bottom: 129.2,12.91 132.05,12.91 132.05,10.91 123.6,10.91 123.6,12.51 127.1,12.51 127.1,14.41 129.2,14.41
VIN on In1.Cu: 138.62,1.71 127.76,1.71 127.76,16.42 129.95,18.61 129.98,18.64 129.99,18.68 130,18.72 130,20.43 129.99,20.47 129.98,20.51 129.95,20.54 129.39,21.1 129.39,42.38 132.36,42.38 132.4,42.38 132.44,42.4 132.47,42.42 132.7,42.65 132.72,42.68 132.73,42.72 132.74,42.76 132.74,44.56 132.73,44.6 132.72,44.64 132.7,44.67 132.47,44.9 132.44,44.92 132.4,44.94 132.36,44.94 129.39,44.94 129.39,45.68 129.38,45.72 129.37,45.76 129.34,45.79 127.62,47.51 127.59,47.53 127.55,47.55 127.51,51.81 102.02,51.7 101.47,51.72 99.39,51.72 98.83,51.75 52.95,52.01 52.95,32.71 47.35,32.71 47.35,47.36 47.34,47.39 47.33,47.43 47.3,47.46 47.27,47.49 47.23,47.5 47.19,47.51 38.92,47.51 38.92,55.69 138.62,55.69
VIN on In1.Cu: 16.95,13.34 16.93,12.21 20.84,12.21 20.83,13.54 16.95,13.54
VIN on In1.Cu: 38.92,55.69 19.02,55.57 18.84,11.2 38.17,11.41 38.16,47.5 38.92,47.51
Core_3V3 on Bottom: 10.84,24.58 10.86,21.86 12.86,21.85 12.89,24.59
Core_3V3 on In5_3V3_SYS_SIGNAL.Cu: 10.59,9.66 12.82,9.69 12.81,18.1 21.58,18.1 33.76,18.04 33.79,16.36 38.15,16.31 38.15,21.27 37.46,21.28 37.4,31.29 33.85,31.4 33.68,38.34 26.13,38.45 26.11,29.59 22.38,29.52 22.41,28.06 13.09,28.17 13.01,34.65 10.66,34.65 10.61,12.38
Core_3V3 on In5_3V3_SYS_SIGNAL.Cu: 10.62,11.81 17.82,11.8 17.82,10.93 10.59,10.94 10.6,11.81
EGND on In4_GND.Cu: 57.63,2.45 56.9,1.71 38.92,1.71 38.92,26.18 57.63,26.18
EGND on In6_GND.Cu: 57.63,13.31 44.15,13.31 44.15,1.71 38.92,1.71 38.92,26.18 57.63,26.18
HDMI_SHIELD on In4_GND.Cu: 66.21,9.8 66.31,9.7 77.21,9.7 77.17,8.95 77.17,1.71 64.53,1.71 64.53,11.98 66.21,11.98
HDMI_SHIELD on In6_GND.Cu: 66.17,9.2 66.18,9.16 66.21,9.11 66.25,9.09 66.3,9.08 77.05,9.08 77.17,8.95 77.17,1.71 64.53,1.71 64.53,11.98 66.17,11.98
Periph_3V3 on Bottom: 17.82,40.87 20.94,40.88 20.94,38.7 17.82,38.7
Periph_3V3 on In5_3V3_SYS_SIGNAL.Cu: 17.44,43.3 17.47,31.88 15.28,31.82 15.28,28.91 21.77,28.85 21.83,30.83 24.47,30.86 24.44,43.38
System_4V5 on Top: 9.04,51.47 9.01,46.83 12.61,46.83 12.65,51.45
System_4V5 on In1.Cu: 9.68,53.38 9.57,21.35 18.02,21.24 18.13,53.33 9.67,53.38
Net-(F3-Pad1) on Bottom: 135.35,10.96 132.7,10.96 132.7,13.56 130.1,13.56 130.1,16.21 135.35,16.21

## Text on the board
Bottom: Jetson Nano Baseboard / Rev. 1.6.1
B.Mask: Jetson Nano Baseboard / Rev. 1.6.1
B.Silkscreen: 1
User.Drawings: Recommended PCB finish: | Gold plating (ENIG, selective) | Solder mask: matt black | Silkscreen: white | The design includes high speed signaling | Suggested prepreg material is ISOLA PR2116 | Layer | 1 | 2 | 3 | 4 | 5 | 6 | 7 | 8 | 9 | 10 | 11 | 12 | 13 | 14 | 15 | 16 | 17 | Name | Top Solder | Top Layer | Dielectric 1 | Signal 1 | Dielectric 2 | Signal 2 | Dielectric 3 | Signal 3 | Dielectric 4 | Signal 4 | Dielectric 5 | Signal 5 | Dielectric 6 | Signal 6 | Dielectric 7 | Bottom Layer | Bottom Solder | Material | Solder Resist | Copper | Prepreg | FR-4 | Thickness | 0.02  mm | 0.018 mm | 0.12  mm | 0.035 mm | 0.2   mm | 0.24  mm | Constant | 3.5 | 4.2 | Recommended PCB stackup
F.Silkscreen: A | B | PCB SHA / deadbeef
